# Allegro board Learn.brd (continued)
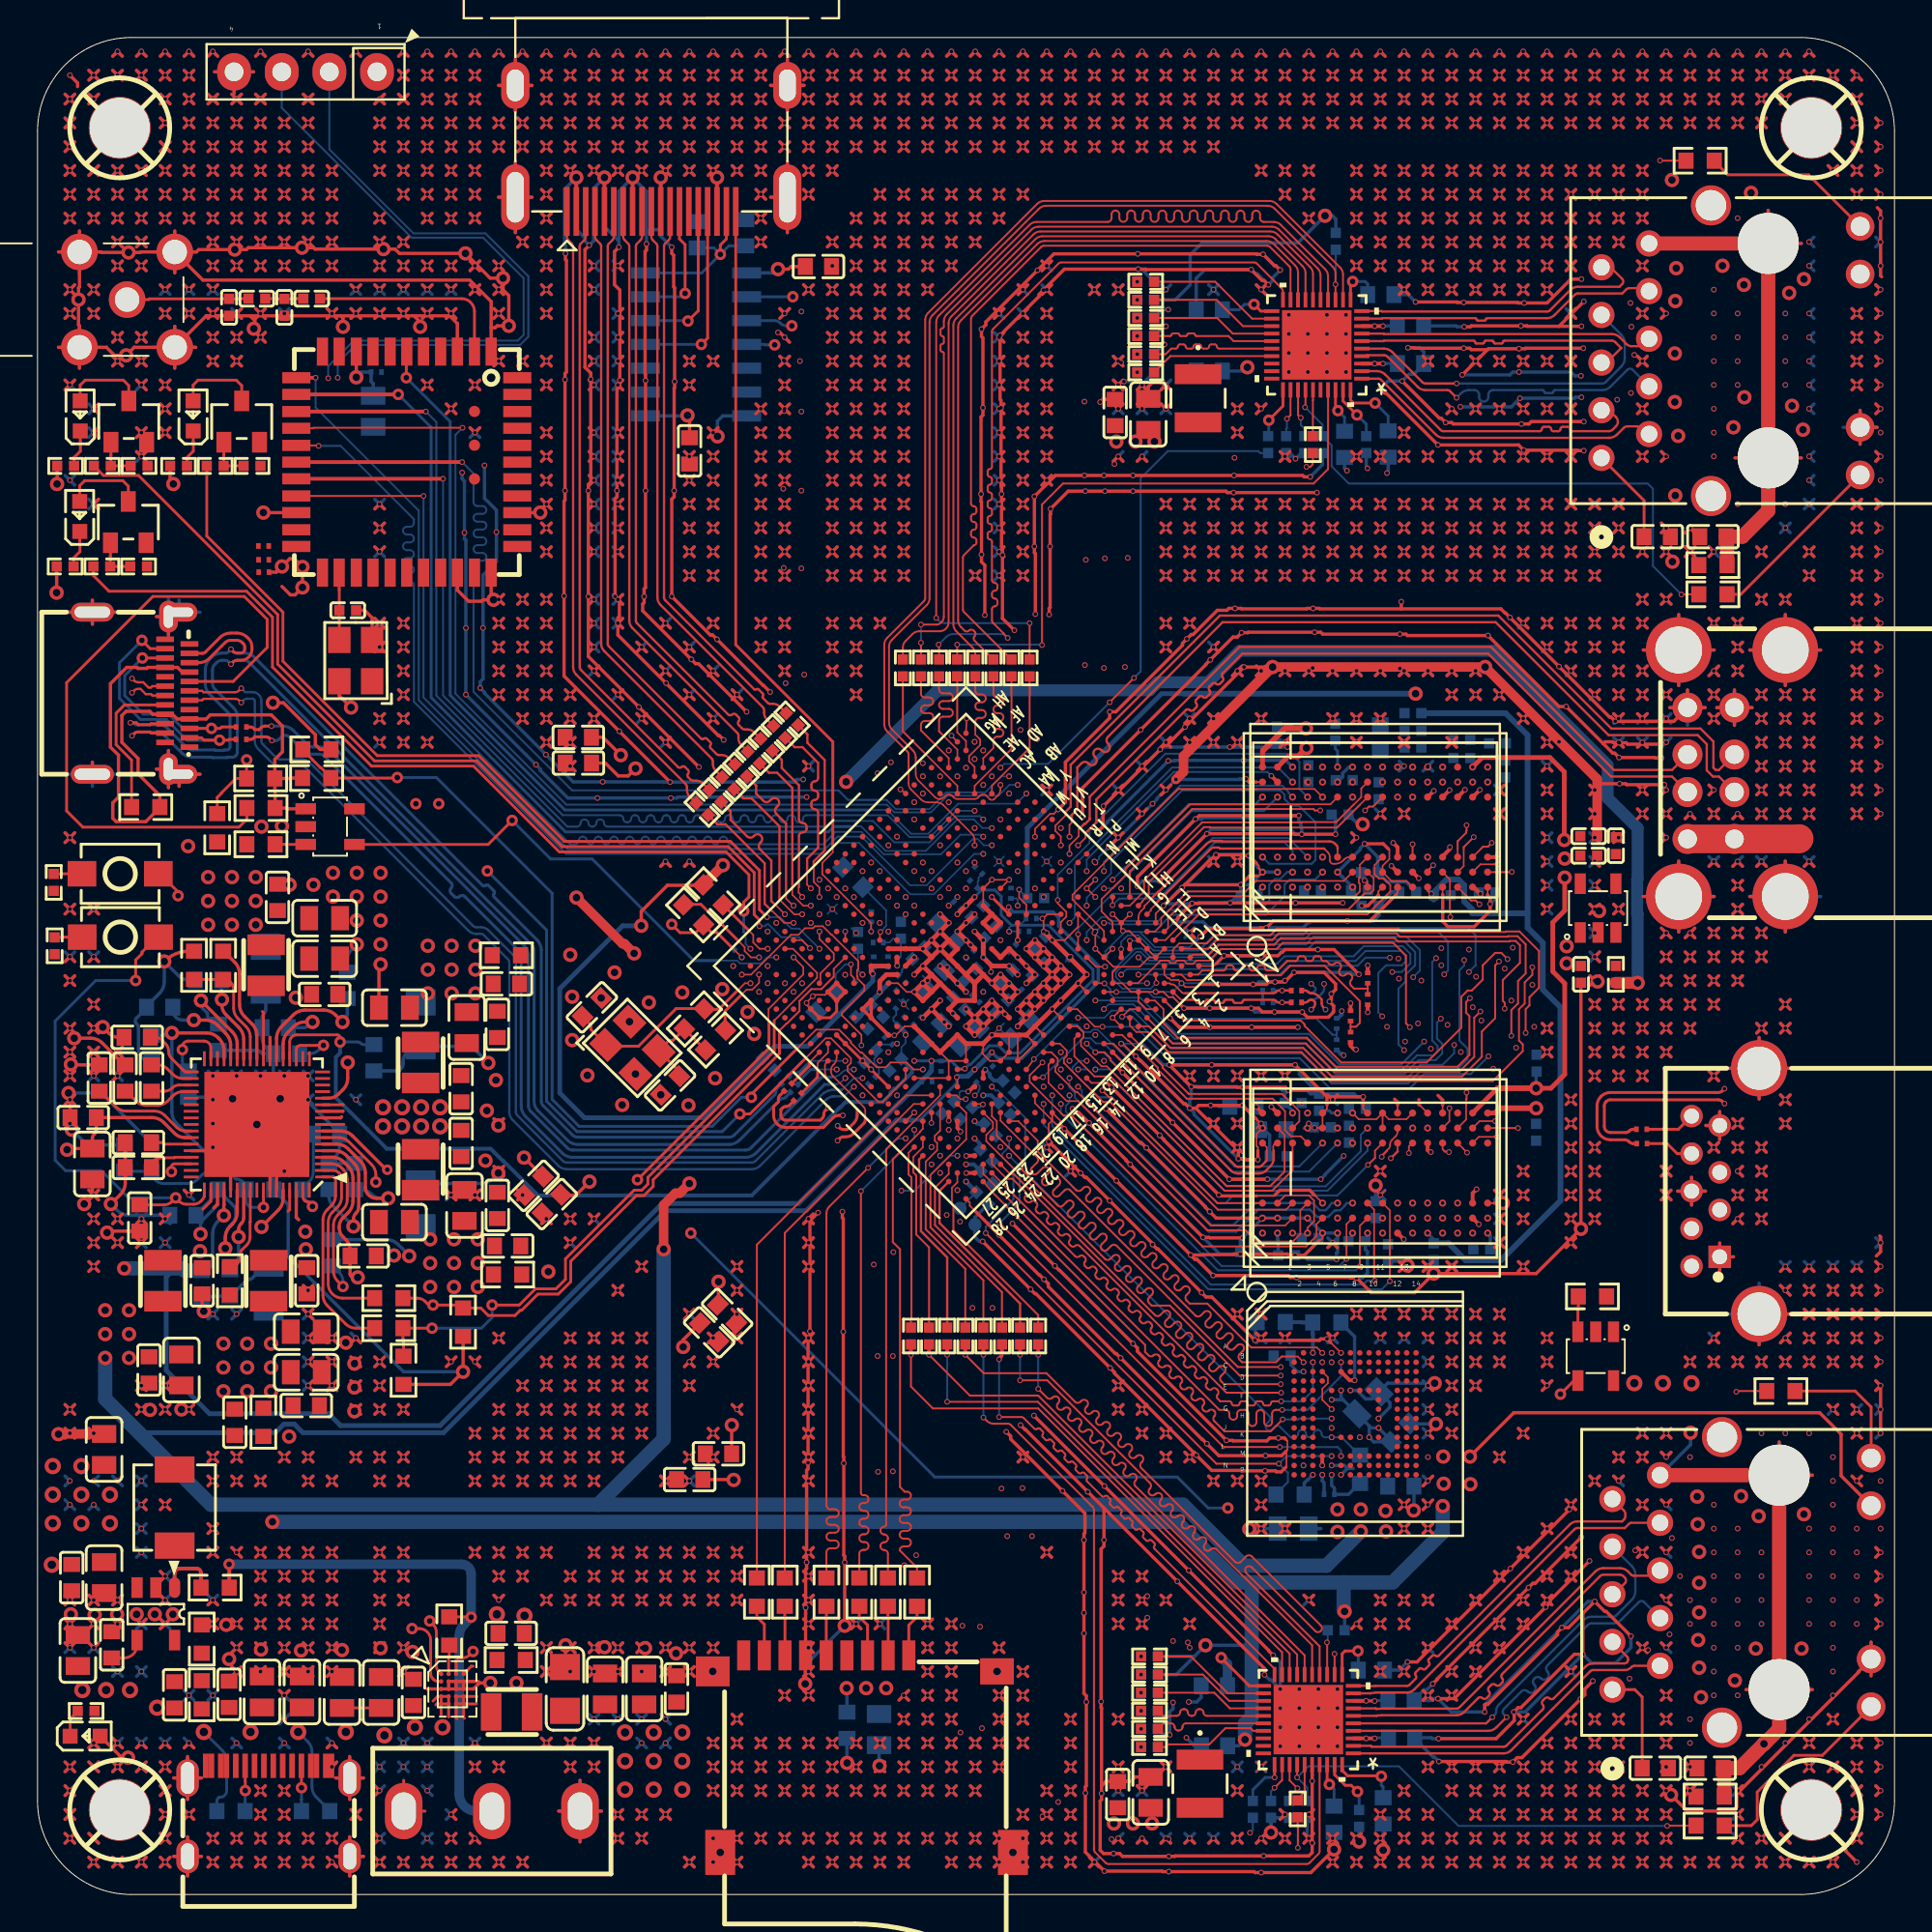
[diagram p0: board, top side]
## Routing (per net, layer and track width the routed paths; a pad name or vN(x,y) marks a point on that pad's centre or on a via; arc(x,y) is an arc through that point) (continued)
USB3_OTG0_DM: length 65
  TOP w0.124: v1(5.04,64.82) 5.15,64.71 arc(5.25,64.64) 5.37,64.61 5.64,64.61 5.92,64.33 6.05,64.33 6.12,64.41 U17.B7 ; U17.A7 8.78,63.66 8.85,63.73 10.55,63.73 arc(10.65,63.71) 10.74,63.65 v1(10.86,63.53)
  SIG w0.124: v1(10.86,63.53) 10.97,63.65 arc(11.08,63.71) 11.2,63.74 11.34,63.74 arc(11.7,63.89) 11.85,64.25 11.85,64.69 arc(11.71,65.03) 11.36,65.17 10.65,65.17 arc(10.41,65.13) 10.21,64.99 9.91,64.69 arc(9.83,64.64) 9.73,64.61 5.37,64.61 arc(5.25,64.64) 5.15,64.71 v1(5.04,64.82)
  BOTTOM w0.089: v1(43.52,43.06) 43.51,43.06 42.99,42.55 42.97,42.55
  BOTTOM w0.124: v1(10.86,63.53) 11,63.67 arc(11.07,63.72) 11.16,63.74 11.46,63.74 arc(11.55,63.7) 11.58,63.62 11.58,61.5 arc(11.63,61.26) 11.76,61.06 12.49,60.33 arc(12.69,60.2) 12.93,60.15 14.11,60.15 arc(14.19,60.13) 14.26,60.09 22.96,51.39 arc(23.16,51.25) 23.4,51.21 23.64,51.21 arc(23.72,51.19) 23.79,51.14 25.08,49.85 arc(25.13,49.78) 25.15,49.7 25.15,41.72 arc(25.19,41.48) 25.33,41.28 27.76,38.84 arc(27.97,38.71) 28.2,38.66 38.07,38.66 arc(38.31,38.71) 38.51,38.84 42.03,42.36 arc(42.07,42.39) 42.1,42.42 42.28,42.51 arc(42.33,42.53) 42.38,42.54 arc(42.42,42.54) 42.45,42.54 42.47,42.55 42.97,42.55
USB3_OTG0_DP: length 64.4
  TOP w0.124: v1(5.04,64.06) 5.16,64.18 arc(5.25,64.24) 5.35,64.26 5.49,64.26 5.77,63.98 6.05,63.98 6.12,63.91 U17.B6 ; U17.A6 8.78,64.16 8.85,64.08 10.51,64.08 arc(10.64,64.11) 10.75,64.18 v1(10.86,64.3)
  SIG w0.124: v1(5.04,64.06) 5.15,64.17 arc(5.25,64.24) 5.37,64.26 9.73,64.26 arc(9.96,64.31) 10.16,64.44 10.46,64.74 arc(10.55,64.8) 10.65,64.82 11.36,64.82 arc(11.46,64.78) 11.49,64.69 11.49,64.25 arc(11.45,64.14) 11.34,64.09 11.2,64.09 arc(11.08,64.12) 10.97,64.19 v1(10.86,64.3)
  BOTTOM w0.089: 42.88,42.9 42.88,42.88 43.52,43.52 v1(43.98,43.52)
  BOTTOM w0.124: v1(10.86,64.3) 11.07,64.09 11.46,64.09 arc(11.48,64.09) 11.5,64.09 arc(11.81,63.94) 11.93,63.62 11.94,61.5 arc(11.96,61.39) 12.01,61.31 12.74,60.58 arc(12.83,60.52) 12.93,60.5 14.11,60.5 arc(14.32,60.46) 14.51,60.34 23.21,51.64 arc(23.29,51.58) 23.4,51.56 23.64,51.56 arc(23.85,51.52) 24.03,51.39 25.33,50.1 arc(25.46,49.91) 25.5,49.7 25.5,41.72 arc(25.52,41.62) 25.58,41.53 28.01,39.09 arc(28.1,39.03) 28.2,39.01 38.08,39.01 arc(38.18,39.03) 38.26,39.09 41.44,42.27 41.78,42.61 arc(41.85,42.67) 41.92,42.73 42.14,42.84 arc(42.16,42.84) 42.17,42.85 arc(42.25,42.87) 42.33,42.89 arc(42.38,42.89) 42.44,42.9 arc(42.46,42.9) 42.47,42.9 42.88,42.9
USB3_OTG0_ID: length 51.2
  TOP w0.089: 40.46,45.06 41.5,46.1 42.72,46.1 43.36,45.47 43.36,45.39 43.87,44.88 43.94,44.88 44.73,44.09 45.21,44.09 45.47,44.35 46.33,44.35 46.7,43.98 v1(47.19,43.98)
  TOP w0.152: v2(19.18,59.54) 19.15,59.51 R133.1 15.63,59.54 15.11,60.06 15.08,60.06 14.66,60.48 14.66,60.49 14.14,61.01 R134.1 ; v2(38.05,42.49) 38.05,42.65 40.46,45.06
  BOTTOM w0.152: v2(38.05,42.49) 37.52,42.49 35.97,40.94 28.87,40.94 27.43,42.38 27.43,53.37 21.26,59.54 v2(19.18,59.54)
USB3_OTG0_SSRXN: length 48.4
  TOP w0.158: C227.1 11.37,62.23 arc(11.45,62.22) 11.51,62.17 11.59,62.09 11.81,62.09 11.92,62.2 arc(12.01,62.26) 12.12,62.28 v1(12.47,62.28)
  BOTTOM w0.089: v1(43.52,43.98) 43.27,43.98 arc(43.05,43.93) 42.87,43.81 42.83,43.77 arc(42.61,43.62) 42.35,43.57
  BOTTOM w0.158: v1(12.47,62.28) 13.07,62.28 arc(13.37,62.22) 13.63,62.05 14.39,61.29 arc(14.52,61.2) 14.68,61.17 15.02,61.17 arc(15.32,61.11) 15.58,60.94 25.94,50.58 arc(26.11,50.33) 26.17,50.02 26.17,42.03 arc(26.2,41.88) 26.29,41.75 28.24,39.8 arc(28.37,39.71) 28.52,39.68 37.75,39.68 arc(37.9,39.71) 38.03,39.8 41.8,43.57 42.35,43.57
USB3_OTG0_SSRXP: length 48.4
  TOP w0.158: C228.1 11.37,61.57 arc(11.44,61.59) 11.51,61.63 11.59,61.71 11.81,61.71 12.2,61.71 arc(12.29,61.69) 12.36,61.64 v1(12.49,61.51)
  BOTTOM w0.089: v1(43.06,43.52) 42.88,43.34 arc(42.7,43.22) 42.49,43.18
  BOTTOM w0.158: 42.49,43.18 41.96,43.18 38.31,39.53 arc(38.05,39.35) 37.75,39.29 28.52,39.29 arc(28.22,39.35) 27.96,39.53 26.01,41.47 arc(25.84,41.73) 25.78,42.03 25.78,50.02 arc(25.75,50.18) 25.66,50.31 22.77,53.2 arc(22.63,53.25) 22.5,53.2 arc(22.36,53.14) 22.22,53.2 22.05,53.37 arc(21.99,53.51) 22.05,53.64 arc(22.11,53.78) 22.05,53.92 15.31,60.66 arc(15.18,60.75) 15.02,60.78 14.68,60.78 arc(14.38,60.84) 14.12,61.01 13.44,61.7 arc(13.22,61.79) 13,61.7 12.89,61.59 arc(12.8,61.53) 12.69,61.51 v1(12.49,61.51)
USB3_OTG0_SSTXN: length 65.6
  TOP w0.158: U17.A3 8.6,65.66 arc(8.9,65.72) 9.16,65.89 10,66.73 arc(10.14,66.82) 10.29,66.85 10.63,66.85 arc(10.78,66.82) 10.91,66.73 10.98,66.67 arc(11.03,66.59) 11.04,66.51 11.04,66.38 arc(10.98,66.23) 10.84,66.17 10.64,66.17 arc(10.53,66.2) 10.43,66.26 v1(10.31,66.38) ; U17.B3 6.05,62.41 6,62.35 5.38,62.35 5.27,62.46 v1(4.95,62.46)
  BOTTOM w0.158: v1(4.95,62.46) 5.13,62.46 5.24,62.35 6.48,62.35 arc(6.72,62.3) 6.92,62.17 7.96,61.13 arc(8.09,61.04) 8.24,61.01 9.45,61.01 9.47,60.99 9.93,60.99 9.96,61.01 10.1,61.01 arc(10.22,61.06) 10.26,61.17 10.26,62.8 arc(10.24,62.89) 10.19,62.96 9.17,63.98 arc(9,64.24) 8.94,64.54 8.94,65.28 arc(9,65.58) 9.17,65.84 9.27,65.94 arc(9.53,66.11) 9.83,66.17 10.02,66.17 arc(10.1,66.19) 10.17,66.24 v1(10.31,66.38) 10.45,66.24 arc(10.52,66.19) 10.61,66.17 11.01,66.17 arc(11.31,66.11) 11.57,65.94 23.72,53.79 arc(23.8,53.75) 23.88,53.79 arc(23.96,53.82) 24.04,53.79 24.33,53.5 arc(24.36,53.42) 24.33,53.34 arc(24.3,53.26) 24.33,53.18 26.62,50.89 arc(26.79,50.63) 26.85,50.33 26.85,42.28 arc(26.88,42.16) 26.95,42.05 28.52,40.49 arc(28.65,40.4) 28.8,40.37 36.86,40.37 arc(37.02,40.4) 37.15,40.49 39.3,42.63 arc(39.34,42.7) 39.35,42.77 39.35,42.8 arc(39.36,42.87) 39.4,42.93 C224.2
USB3_OTG0_SSTXP: length 66.8
  TOP w0.158: U17.A2 8.79,66.16 arc(8.87,66.18) 8.95,66.22 9.73,67.01 arc(9.99,67.18) 10.29,67.24 10.63,67.24 arc(10.93,67.18) 11.18,67.01 11.25,66.94 arc(11.38,66.74) 11.43,66.51 11.43,66.38 arc(11.26,65.96) 10.84,65.79 10.64,65.79 arc(10.53,65.76) 10.43,65.7 v1(10.31,65.58) ; v1(5.04,61.76) 5.18,61.9 arc(5.25,61.95) 5.33,61.97 6,61.97 6.05,61.91 U17.B2
  BOTTOM w0.158: v1(5.04,61.76) 5.18,61.9 arc(5.25,61.95) 5.33,61.97 6.48,61.97 arc(6.57,61.95) 6.64,61.9 7.69,60.86 arc(7.94,60.68) 8.24,60.62 9.29,60.62 9.31,60.6 10.09,60.6 10.12,60.62 10.39,60.62 arc(10.48,60.64) 10.56,60.69 10.58,60.71 arc(10.63,60.79) 10.65,60.88 10.65,62.8 arc(10.6,63.03) 10.47,63.24 9.45,64.26 arc(9.36,64.39) 9.33,64.54 9.33,65.28 arc(9.36,65.44) 9.45,65.57 9.55,65.67 arc(9.68,65.76) 9.83,65.79 9.98,65.79 arc(10.1,65.76) 10.2,65.7 v1(10.31,65.58) 10.43,65.7 arc(10.53,65.76) 10.64,65.79 11.01,65.79 arc(11.16,65.76) 11.29,65.67 26.35,50.61 arc(26.44,50.48) 26.47,50.33 26.47,42.28 arc(26.52,42.01) 26.68,41.78 28.24,40.21 arc(28.5,40.04) 28.8,39.98 36.86,39.98 arc(37.16,40.04) 37.42,40.21 39.58,42.37 arc(39.64,42.41) 39.71,42.43 39.75,42.43 arc(39.82,42.45) 39.88,42.49 C223.2
USB3_OTG0_VBUSDET: length 58.7
  TOP w0.089: U5.M24 46.27,43.48 45.03,42.24 44.83,42.24 43.18,43.89 43.18,44.15 43.36,44.32 43.36,44.58 42.29,45.64 42.01,45.64 40.94,44.57
  TOP w0.152: 40.94,44.57 37.97,41.61 v2(37.44,41.61) ; R136.1 9.58,58.47 9.8,58.7 9.8,58.72 10.57,59.49 R135.1 11.14,60.47 v2(11.15,60.48)
  SIG w0.152: v2(23.98,54.56) 23.98,56.31 21.31,58.98 12.65,58.98 v2(11.15,60.48)
  BOTTOM w0.152: v2(37.44,41.61) 36.5,40.67 28.75,40.67 27.14,42.28 27.14,51.4 v2(23.98,54.56)
USB_HOST_PWREN: length 79.4
  TOP w0.089: v1(40.3,49.95) 40.82,49.43 40.82,49.05 38.96,47.19 38.96,46.55 38.99,46.52
  TOP w0.152: v2(81.18,26.67) 81.9,27.39 U20.4 ; v2(31.98,38.1) 38.99,45.11 38.99,46.52
  SIG w0.152: v2(63.45,20.6) 63.45,19.52 64.49,18.47 74.79,18.47 81.18,24.87 v2(81.18,26.67) ; v2(31.98,38.1) v2(34.82,35.26)
  BOTTOM w0.152: v2(34.82,35.26) 47.83,22.25 60.76,22.25 62.41,20.6 v2(63.45,20.6)
USB_OTG_PWREN: length 26.3
  TOP w0.152: v2(25.3,57.25) 24.02,55.97 U18.4
  BOTTOM w0.089: v1(39.38,49.95) 38.88,49.95 38.56,49.63 37.44,49.63 37.29,49.78 36.31,49.78
  BOTTOM w0.152: 36.31,49.78 34.98,49.78 29.57,55.19 27.36,55.19 v2(25.3,57.25)
VREF_DDR4_CA: length 48.7
  TOP w0.089: U6.M1 74.1,53.49 74.25,53.34 v1(74.3,53.34)
  BOTTOM w0.152: v1(74.3,53.34) 74.35,53.34 C99.1 74.42,53.03 ; C100.1 74.42,34.93 v1(74.1,35.25)
  BOTTOM w0.305: R41.1 78.26,62.97 79.43,61.8 79.43,52.3 ; C100.1 75.22,34.71 76.12,33.81 78,33.81 81.18,36.98 81.18,47.29 80.24,48.23 80.24,50.72 79.43,51.54 79.43,52.3 ; C99.1 74.42,53.42 75.11,54.1 75.74,54.1 76.05,53.8 76.05,52.93 76.48,52.5 76.48,52.3 79.43,52.3 ; 74.42,53.03 74.35,53.11 74.35,53.26
WIFI_REG_ON: length 56.8
  TOP w0.203: U15.12 v1(14.82,80.85)
  BOTTOM w0.089: 42.92,56.39 43.92,56.39 46.51,53.8 47.4,53.8 49.86,56.26 50.11,56.26 50.45,55.93 v1(50.87,55.93)
  BOTTOM w0.104: 42.92,56.39 42.65,56.39 41.99,55.73 28.25,55.73 20.32,63.66 20.32,73.76 14.82,79.26 v1(14.82,80.85)
WIFI_SDIO_CLK: length 57.2
  TOP w0.203: U15.17 v1(22.63,76.35)
  BOTTOM w0.089: 44.87,58.34 45.26,58.34 45.75,57.86 47.55,57.86 48.44,58.75 50.52,58.75 51.37,59.6 v1(51.79,59.6)
  BOTTOM w0.104: 44.87,58.34 43.21,58.34 42.7,58.85 28.5,58.85 23.24,64.11 23.24,70.88 arc(23.3,71.03) 23.45,71.09 23.72,71.09 arc(23.93,71.3) 23.72,71.51 23.45,71.51 arc(23.24,71.72) 23.45,71.93 23.72,71.93 arc(23.93,72.13) 23.72,72.34 23.45,72.34 arc(23.24,72.55) 23.45,72.76 23.72,72.76 arc(23.93,72.97) 23.72,73.18 23.45,73.18 arc(23.24,73.38) 23.45,73.59 23.72,73.59 arc(23.93,73.8) 23.72,74.01 23.45,74.01 arc(23.3,74.07) 23.24,74.22 23.24,75.74 v1(22.63,76.35)
WIFI_SDIO_CMD: length 56.8
  TOP w0.104: v1(14.99,77.22) 14.96,77.24 U15.16
  BOTTOM w0.089: 42,55.47 42.59,56.06 43.79,56.06 46.53,53.31 47.78,53.31 49.93,55.47 v1(50.41,55.47)
  BOTTOM w0.104: v1(14.99,77.22) 16.15,77.22 20.06,73.31 20.06,73.11 arc(20,72.97) 19.86,72.91 19.69,72.91 arc(19.48,72.7) 19.69,72.49 19.86,72.49 arc(20.06,72.28) 19.86,72.07 19.69,72.07 arc(19.48,71.86) 19.69,71.66 19.86,71.66 arc(20.06,71.45) 19.86,71.24 19.69,71.24 arc(19.48,71.03) 19.69,70.82 19.86,70.82 arc(20.06,70.61) 19.86,70.41 19.69,70.41 arc(19.48,70.2) 19.69,69.99 19.86,69.99 arc(20,69.93) 20.06,69.8 20.06,69.8 20.06,63.58 28.17,55.47 42,55.47
WIFI_SDIO_D0: length 56.6
  TOP w0.203: U15.18 v1(21.62,75.46)
  BOTTOM w0.089: 44.06,57.53 45.31,57.53 46.48,56.36 47.57,56.36 48.98,57.76 v1(49.95,57.76)
  BOTTOM w0.104: v1(21.62,75.46) 21.62,63.91 28,57.53 31.04,57.53 arc(31.17,57.48) 31.23,57.34 arc(31.28,57.21) 31.41,57.15 31.45,57.15 arc(31.59,57.21) 31.64,57.34 arc(31.7,57.48) 31.83,57.53 31.87,57.53 arc(32,57.48) 32.06,57.34 arc(32.11,57.21) 32.25,57.15 32.29,57.15 arc(32.42,57.21) 32.48,57.34 arc(32.53,57.48) 32.66,57.53 32.7,57.53 arc(32.84,57.48) 32.89,57.34 arc(32.95,57.21) 33.08,57.15 33.12,57.15 arc(33.25,57.21) 33.31,57.34 arc(33.36,57.48) 33.5,57.53 33.54,57.53 arc(33.67,57.48) 33.72,57.34 arc(33.78,57.21) 33.91,57.15 33.95,57.15 arc(34.09,57.21) 34.14,57.34 arc(34.2,57.48) 34.33,57.53 34.37,57.53 arc(34.5,57.48) 34.56,57.34 arc(34.61,57.21) 34.75,57.15 34.79,57.15 arc(34.92,57.21) 34.97,57.34 arc(35.03,57.48) 35.16,57.53 35.2,57.53 arc(35.34,57.48) 35.39,57.34 arc(35.45,57.21) 35.58,57.15 35.62,57.15 arc(35.75,57.21) 35.81,57.34 arc(35.86,57.48) 36,57.53 36.03,57.53 arc(36.17,57.48) 36.22,57.34 arc(36.28,57.21) 36.41,57.15 36.45,57.15 arc(36.59,57.21) 36.64,57.34 arc(36.7,57.48) 36.83,57.53 36.87,57.53 arc(37,57.48) 37.06,57.34 arc(37.11,57.21) 37.25,57.15 37.28,57.15 arc(37.42,57.21) 37.47,57.34 arc(37.53,57.48) 37.66,57.53 37.7,57.53 arc(37.84,57.48) 37.89,57.34 arc(37.95,57.21) 38.08,57.15 38.12,57.15 arc(38.25,57.21) 38.31,57.34 arc(38.36,57.48) 38.5,57.53 38.53,57.53 arc(38.67,57.48) 38.72,57.34 arc(38.78,57.21) 38.91,57.15 38.95,57.15 arc(39.08,57.21) 39.14,57.34 arc(39.2,57.48) 39.33,57.53 39.37,57.53 arc(39.5,57.48) 39.56,57.34 arc(39.61,57.21) 39.75,57.15 39.78,57.15 arc(39.92,57.21) 39.97,57.34 arc(40.03,57.48) 40.16,57.53 40.2,57.53 arc(40.33,57.48) 40.39,57.34 arc(40.45,57.21) 40.58,57.15 40.62,57.15 arc(40.75,57.21) 40.81,57.34 arc(40.86,57.48) 41,57.53 44.06,57.53
WIFI_SDIO_D1: length 56.5
  TOP w0.104: U15.19 v1(20.57,74.55)
  BOTTOM w0.089: 43.17,56.64 43.92,56.64 45.11,55.45 48.16,55.45 49.2,56.49 50.31,56.49 v1(50.41,56.39)
  BOTTOM w0.104: v1(20.57,74.55) 20.57,63.8 28.4,55.98 28.65,55.98 arc(28.8,56.04) 28.86,56.18 arc(28.91,56.33) 29.06,56.39 29.07,56.39 arc(29.21,56.33) 29.27,56.18 arc(29.33,56.04) 29.47,55.98 29.49,55.98 arc(29.63,56.04) 29.69,56.18 arc(29.75,56.33) 29.89,56.39 29.9,56.39 arc(30.05,56.33) 30.11,56.18 arc(30.16,56.04) 30.31,55.98 30.32,55.98 arc(30.46,56.04) 30.52,56.18 arc(30.58,56.33) 30.72,56.39 30.74,56.39 arc(30.88,56.33) 30.94,56.18 arc(31,56.04) 31.14,55.98 31.15,55.98 arc(31.3,56.04) 31.35,56.18 arc(31.41,56.33) 31.56,56.39 31.57,56.39 arc(31.71,56.33) 31.77,56.18 arc(31.83,56.04) 31.97,55.98 31.99,55.98 arc(32.13,56.04) 32.19,56.18 arc(32.25,56.33) 32.39,56.39 32.4,56.39 arc(32.55,56.33) 32.6,56.18 arc(32.66,56.04) 32.81,55.98 32.82,55.98 arc(32.96,56.04) 33.02,56.18 arc(33.08,56.33) 33.22,56.39 33.24,56.39 arc(33.38,56.33) 33.44,56.18 arc(33.5,56.04) 33.64,55.98 33.65,55.98 arc(33.79,56.04) 33.85,56.18 arc(33.91,56.33) 34.06,56.39 34.07,56.39 arc(34.21,56.33) 34.27,56.18 arc(34.33,56.04) 34.47,55.98 34.48,55.98 arc(34.63,56.04) 34.69,56.18 arc(34.75,56.33) 34.89,56.39 34.9,56.39 arc(35.04,56.33) 35.1,56.18 arc(35.16,56.04) 35.31,55.98 35.32,55.98 arc(35.46,56.04) 35.52,56.18 arc(35.58,56.33) 35.72,56.39 35.73,56.39 arc(35.88,56.33) 35.94,56.18 arc(36,56.04) 36.14,55.98 36.15,55.98 arc(36.29,56.04) 36.35,56.18 arc(36.41,56.33) 36.56,56.39 36.57,56.39 arc(36.71,56.33) 36.77,56.18 arc(36.83,56.04) 36.97,55.98 41.88,55.98 42.55,56.64 43.17,56.64
WIFI_SDIO_D2: length 56.4
  TOP w0.203: U15.14 v1(20.7,79.04)
  BOTTOM w0.089: 43.76,57.23 44.53,57.23 45.67,56.08 47.55,56.08 48.95,57.48 50.24,57.48 v1(50.41,57.31)
  BOTTOM w0.104: v1(20.7,79.04) 21.26,78.49 21.26,63.91 28.24,56.92 28.76,56.92 arc(28.89,56.98) 28.95,57.11 arc(29,57.24) 29.14,57.3 29.17,57.3 arc(29.31,57.24) 29.36,57.11 arc(29.42,56.98) 29.55,56.92 29.59,56.92 arc(29.73,56.98) 29.78,57.11 arc(29.84,57.24) 29.97,57.3 30.01,57.3 arc(30.14,57.24) 30.2,57.11 arc(30.25,56.98) 30.39,56.92 42.06,56.92 42.37,57.23 43.76,57.23
WIFI_SDIO_D3: length 56.4
  TOP w0.104: U15.15 14.69,78.16 14.71,78.18 v1(22.66,78.18)
  BOTTOM w0.089: 44.62,58.09 45.27,58.09 45.67,57.68 47.62,57.68 48.51,58.57 51.23,58.57 51.8,59.14 v1(52.25,59.14)
  BOTTOM w0.104: 44.62,58.09 28.19,58.09 22.28,64.01 22.28,77.8 v1(22.66,78.18)
WIFI_WAKE_HOST: length 56.7
  TOP w0.203: U15.13 v2(19.23,79.96)
  BOTTOM w0.089: v1(50.87,56.85) 50.37,56.85 49.91,57.3 49.02,57.3 47.35,55.63 45.21,55.63 43.89,56.95 43.48,56.95 43.45,56.92
  BOTTOM w0.152: v2(19.23,79.96) 20.98,78.21 20.98,63.8 28.14,56.64 42.16,56.64 42.44,56.92 43.45,56.92
WORKING_CPU: length 47.8
  TOP w0.152: R139.1 2.98,70.3 3.81,69.47 11.14,69.47 12.52,68.09 12.52,65.43 17.81,60.15 23.24,60.15 27.81,55.58 36.7,55.58 37.92,54.36 37.92,53.18 37.64,52.9 v2(37.64,52.43)
  BOTTOM w0.089: 37.74,51.21 37.74,50.67 v1(38,50.41)
  BOTTOM w0.152: 37.74,51.21 37.64,51.32 v2(37.64,52.43)
WORKING_GPU: length 48.3
  TOP w0.089: v1(38.89,52.1) 38.76,52.23
  TOP w0.152: R140.1 9.02,72.41 13.08,68.35 13.08,65.74 18.11,60.71 23.51,60.71 28.08,56.13 36.93,56.13 38.48,54.59 38.48,52.5 38.76,52.23
  BOTTOM w0.089: v1(38.89,52.1) 39.57,52.1 40.18,51.49 40.6,51.49 v1(41.68,50.41)
WORKING_NPU: length 53
  TOP w0.089: v1(38.48,51.61) 38.48,51.95 ; U5.AF23 40.75,50.87 v1(41.17,50.44)
  TOP w0.152: 38.48,51.95 38.2,52.23 38.2,54.47 36.82,55.85 27.97,55.85 23.39,60.43 17.96,60.43 12.8,65.58 12.8,68.22 5.38,75.64 3.51,75.64 R144.1
  BOTTOM w0.089: v1(41.17,50.44) 40.59,51.03 39.65,51.03 38.96,51.72 38.87,51.72 38.76,51.61 v1(38.48,51.61)
N00798: length 2.4
  TOP w0.152: v2(14.07,5.69) 14.07,5.69 U1.B5
  BOTTOM w0.152: v2(14.07,5.69) 14.07,5.06 14.07,5.05 R1.1
N00802: length 2.4
  TOP w0.152: U1.A5 11.07,6.03 11.07,6.03 v2(11.07,5.54)
  BOTTOM w0.152: R2.1 11.07,5.53 v2(11.07,5.54)
N03782: length 4.6
  TOP w0.152: U3.D4 U3.D3 U3.E3 ; U3.D4 U3.E4 ; U3.D4 23.4,10.56 23.42,10.54 ; U3.E4 22.71,9.44 22.76,9.4 ; U3.E4 U3.E3 ; U3.E4 23.4,10.16 ; U3.E3 22.31,9.41 22.35,9.37
N04140: length 1.5
  TOP w0.152: U3.A2 21.91,12.68 21.95,12.71 R8.1
N13913: length 6.4
  TOP w0.152: R18.1 R16.2 9.92,48.78 arc(10.3,48.62) 10.45,48.25 10.45,47.24 arc(10.51,46.95) 10.68,46.7 11.12,46.26 arc(11.28,46.01) 11.34,45.72 U4.27
N022560: length 3.2
  TOP w0.203: U2.1 7.31,17.11 arc(7.38,17.3) 7.57,17.37 8.48,17.37 arc(8.65,17.31) 8.71,17.14 R4.1
N23858: length 10.2
  TOP w0.152: v2(12.04,36.63) U4.61
  BOTTOM w0.152: v2(12.04,36.63) 11.46,36.63 arc(11.22,36.73) 11.12,36.97 R22.2 11.12,37.61 arc(10.97,37.98) 10.59,38.14 10.56,38.14 10.34,38.36 arc(10.12,38.51) 9.86,38.56 9.28,38.56 arc(8.99,38.5) 8.74,38.33 8.53,38.12 arc(8.28,37.95) 7.99,37.9 6.73,37.9 arc(6.27,38.09) 6.08,38.54 R24.1 5.47,38.55 5.47,38.55 C68.1
N24218: length 10
  TOP w0.152: R20.2 16.26,31.79 arc(15.72,32.01) 15.49,32.55 15.49,35.83 arc(15.55,36.12) 15.72,36.37 15.98,36.63 arc(16.15,36.88) 16.21,37.17 16.21,38.16 arc(16.17,38.32) 16.08,38.45 16.06,38.47 arc(15.93,38.56) 15.77,38.6 U4.2
N24280: length 10.8
  TOP w0.152: R21.2 16.97,30.19 arc(16.67,30.24) 16.43,30.41 15.44,31.4 arc(15.27,31.65) 15.21,31.94 15.21,35.96 arc(15.27,36.25) 15.44,36.49 15.66,36.72 arc(15.83,36.97) 15.89,37.26 15.89,38.14 15.78,38.25 U4.1
N25186: length 2.1
  TOP w0.152: C59.1 6.65,40.08 6.74,40 U4.46
N26850: length 3.1
  TOP w0.152: C65.1 6.26,45.69 arc(6.46,45.65) 6.63,45.54 6.83,45.34 arc(6.95,45.17) 6.99,44.97 6.99,44.94 arc(7.02,44.74) 7.14,44.58 7.76,43.95 arc(7.88,43.87) 8.01,43.85 U4.35
N26854: length 4
  TOP w0.152: U4.38 7.76,42.8 arc(7.46,42.74) 7.22,42.57 6.93,42.29 arc(6.68,42.12) 6.39,42.06 5.79,42.06 arc(5.5,42.12) 5.25,42.29 4.72,42.82 C64.1
N26858: length 2.2
  TOP w0.152: U4.37 7.55,43.15 arc(7.35,43.11) 7.18,42.99 7.16,42.97 arc(6.99,42.86) 6.79,42.82 C63.2
N26862: length 2.3
  TOP w0.152: C63.1 6.41,44.22 arc(6.69,44.17) 6.92,44.01 7.21,43.72 arc(7.46,43.56) 7.75,43.5 U4.36
N27345: length 2.4
  TOP w0.152: U4.48 7.31,39.3 7.28,39.27 6.55,39.27 arc(6.21,39.13) 6.08,38.8 C66.1
N27432: length 5.7
  TOP w0.152: C67.1 3.34,42.82 4.18,41.98 arc(4.43,41.82) 4.72,41.76 6.24,41.76 arc(6.53,41.7) 6.78,41.53 7.42,40.89 arc(7.63,40.75) 7.89,40.7 U4.44
N60766: length 1.2
  TOP w0.089: v1(56.9,49.45) 56.42,49.45 U5.H7
N097171: length 1.1
  TOP w0.152: 16.29,42.1 U4.12
N097174: length 1.1
  TOP w0.152: U4.9 16.33,41.05
N097177: length 2.5
  TOP w0.152: 11.99,47.07 12.04,47.01 U4.25
N0971711: length 1.2
  TOP w0.152: 13.36,36.42 13.44,36.5 U4.65
N0985013: length 1.2
  TOP w0.152: U4.53 9.24,36.95 8.81,36.53
N14897562: length 0.6
  BOTTOM w0.152: R28.2 R27.2
N14898394: length 1
  BOTTOM w0.152: v1(69.3,41.65) 68.98,41.65 68.86,41.78 R39.1
N14898490: length 1.5
  BOTTOM w0.152: v1(69.3,60.1) 69.3,60.95 69.18,61.07 R40.1
N14927709: length 11.2
  TOP w0.089: v1(38,48.57) 37.7,48.57 37.34,48.21
  TOP w0.152: C140.2 29.5,46.35 29.5,46.11 Y1.1 30.39,45.22 32.03,45.22 34.04,47.22 35.53,47.22 R43.2 35.57,47.18 36.32,47.18 37.34,48.21
N14927721: length 5.3
  TOP w0.152: C139.1 34.21,43.87 33.11,44.97 33.66,45.52 33.86,45.52 R43.1 R44.2
N14931079: length 3.1
  TOP w0.089: v1(43.36,49.58) 43.36,49.02 43.52,48.86 U5.Y22
  BOTTOM w0.089: v1(43.36,49.58) 43.06,49.58 42.55,49.07 42.55,48.12 R46.2
N14931413: length 3.6
  TOP w0.089: v1(38.92,50.41) 38.49,50.41 38.15,50.75 38.15,51.15 37.93,51.37
  TOP w0.152: 37.93,51.37 R47.2
N14951066: length 1.3
  BOTTOM w0.152: v1(67.48,27.87) 67.17,27.87 66.8,28.24 C170.2
N14952714: length 2.8
  TOP w0.152: U10.8 38.74,14.4 38.34,14.8 R54.2
N14952718: length 2.6
  TOP w0.152: R55.2 39.83,14.8 39.84,14.79 U10.7
N14952722: length 2.6
  TOP w0.152: R56.2 42.05,14.8 42.04,14.79 U10.5
N14952726: length 2.8
  TOP w0.152: U10.3 44.24,14.36 43.81,14.8 R57.2
N14952730: length 2.6
  TOP w0.152: R58.2 45.33,14.8 45.34,14.78 U10.2
N14952734: length 2.8
  TOP w0.152: U10.1 46.44,14.36 46.88,14.8 R59.2
N14971442: length 5.5
  TOP w0.152: C185.1 85.54,10.53 85.14,10.92 U12.P1
N14971633: length 11.3
  TOP w0.152: U12.11 95.14,7.42 93.62,7.42 91.67,5.46 91.67,3.99 91.35,3.67 R88.2
N14971723: length 7.1
  TOP w0.152: U12.14 97.74,25.99 96.89,26.84 R89.2
N14977961: length 9.7
  TOP w0.152: U14.11 90.79,69.3 R117.2
N14978061: length 5.1
  TOP w0.152: U14.P1 85.64,74.3 C198.1
N14978065: length 9.2
  TOP w0.152: R119.2 89.38,92.39 90.1,91.67 94.4,91.67 U14.14
N14995405: length 10.8
  TOP w0.152: U15.2 23.29,84.38 arc(23.09,84.86) 22.61,85.06 C201.1
N14995472: length 2
  TOP w0.152: C201.2 13.61,85.06 13.6,85.05 C204.2 12.72,85.05 12.7,85.06 C202.1
N14995561: length 6.5
  TOP w0.152: U22.5 5.92,85.01 5.96,85.05 C205.2 10.65,85.05 10.66,85.06 C202.2
N15009638: length 3.5
  TOP w0.089: v1(44.93,51.31) 44.91,51.31 44.91,51.21 U5.AA18
  BOTTOM w0.089: R128.2 45.24,52.46 45.24,51.64 45.13,51.53 45.13,51.51 v1(44.93,51.31)
N15020833: length 0.6
  BOTTOM w0.203: v1(49.95,41.22) 50.08,41.09 C158.1
N15020845: length 0.7
  BOTTOM w0.203: v1(49.95,40.3) 50.26,39.99 C157.1
N15020857: length 0.9
  BOTTOM w0.203: C156.1 49.91,38.92 v1(49.49,38.92)
N15020881: length 1.6
  TOP w0.203: v1(49.61,42.8) 49.63,42.8 49.89,43.06 U5.G21
  BOTTOM w0.089: v1(49.61,42.8) 49.58,42.82 49.22,42.82 49.14,42.75 49.14,42.56 C159.1
N15020885: length 1.1
  TOP w0.089: v1(50.39,42.11) 50.37,42.14 U5.F22
  BOTTOM w0.089: C160.1 50.24,41.96 v1(50.39,42.11)
N15020889: length 1.7
  TOP w0.203: U5.G20 50.41,43.86 v1(50.52,43.97)
  BOTTOM w0.203: v1(50.52,43.97) 50.76,43.73 50.76,43.6 50.98,43.38 C161.1
N15021099: length 1
  BOTTOM w0.203: C162.1 50.84,42.6 v1(50.41,42.6)
N15051826: length 13.8
  TOP w0.152: U17.A11 8.74,61.66 8.87,61.53 v2(9.7,61.53) 10.17,61.53 10.22,61.57 C228.2 ; v2(5.56,66.85) 6.01,66.41 U17.B11
  BOTTOM w0.152: v2(9.7,61.53) 7.96,61.53 6.86,62.64 5.49,62.64 4.37,63.75 4.37,65.66 v2(5.56,66.85)
N15051837: length 11.5
  TOP w0.152: U17.A10 v2(9.27,62.16) 9.74,62.16 9.82,62.23 C227.2 ; v2(5.59,65.91) 5.59,65.91 U17.B10
  BOTTOM w0.152: v2(9.27,62.16) 7.74,62.16 6.99,62.92 5.64,62.92 4.65,63.91 4.65,64.97 v2(5.59,65.91)
N15051917: length 37.1
  TOP w0.152: R129.1 11.16,57.32 10.74,56.9 2.41,56.9 1.55,57.76 1.55,64.59 6.15,69.19 11.02,69.19 12.24,67.97 12.24,66.47 10.43,64.66 U17.A5
N15051943: length 8.1
  TOP w0.152: U17.B5 4.63,63.41 4.19,62.97 4.19,61.29 5.01,60.47 R130.1
N15053433: length 2.6
  TOP w0.152: C229.2 86.87,40.03 87.4,39.49 U21.6
N15053437: length 2.7
  TOP w0.152: U21.5 87.46,40.79 C230.2
N15053593: length 2.5
  BOTTOM w0.089: 41.54,43.98 v1(42.6,43.98)
  BOTTOM w0.152: 41.54,43.98 41.21,43.98 40.73,43.5 40.73,43.37 C223.1
N15053597: length 3.4
  BOTTOM w0.089: 41.14,44.37 41.21,44.44 v1(43.06,44.44)
  BOTTOM w0.152: 41.14,44.37 40.58,43.81 40.25,43.81 C224.1
N15053731: length 2.3
  TOP w0.089: 41.15,44.37 U5.V28
  TOP w0.152: C225.1 41.15,44.17 41.15,44.37
N15053739: length 3.2
  TOP w0.089: U5.V27 42.14,44.88 41.58,44.32 41.58,43.93
  TOP w0.152: C226.1 41.58,43.57 41.58,43.93
N15070968: length 2
  TOP w0.152: LED3.1 8.3,77.45 8.31,77.44 8.31,76.94 7.97,76.6 R138.2
N15070994: length 4.5
  TOP w0.152: Q2.3 10.88,80.43 10.59,80.72 8.56,80.72 8.29,80.46 LED3.2
N15071056: length 2.3
  TOP w0.152: R142.1 R140.2 9.92,76.69 9.93,76.7 Q2.1
N15071279: length 2
  TOP w0.152: LED2.1 2.25,72.09 2.26,72.08 2.26,71.58 1.92,71.24 R137.2
N15071305: length 4.5
  TOP w0.152: LED2.2 2.25,75.1 2.51,75.36 4.55,75.36 4.84,75.07 Q1.3
N15071367: length 2.3
  TOP w0.152: R141.1 R139.2 3.88,71.33 3.89,71.34 Q1.1
N15071998: length 2
  TOP w0.152: R143.2 1.95,76.6 2.29,76.94 2.29,77.44 2.28,77.45 LED4.1
N15072024: length 4.5
  TOP w0.152: Q3.3 4.86,80.43 4.57,80.72 2.54,80.72 2.27,80.46 LED4.2
N15072086: length 2.3
  TOP w0.152: Q3.1 3.91,76.7 3.9,76.69 R144.2 R145.1
N15110259: length 1.5
  TOP w0.152: R3.2 1.93,9.57 arc(1.79,9.36) 1.74,9.11 LED1.1
N15124722: length 4.6
  TOP w0.152: U4.59 11.34,35.85 11.33,35.84 11.33,35.04 arc(11.28,34.82) 11.16,34.63 10.9,34.37 arc(10.83,34.27) 10.81,34.15 10.81,34 arc(10.65,33.62) 10.28,33.47 R19.1
N15247966: length 3
  TOP w0.089: U13.39 69.59,79.97
  TOP w0.152: v2(70.33,78.87) 69.59,79.61 69.59,79.97
  BOTTOM w0.152: R115.1 70.83,78.37 v2(70.33,78.87)
N15247968: length 2.8
  TOP w0.089: U13.31 66.39,79.97
  TOP w0.152: 66.39,79.97 66.39,79.34 v2(65.63,78.59)
  BOTTOM w0.152: v2(65.63,78.59) 65.63,77.77 R116.1
N15248584: length 3.1
  TOP w0.089: 69.14,6.69 U11.39
  TOP w0.152: v2(70.36,5.49) 70.03,5.82 69.7,5.82 69.14,6.38 69.14,6.69
  BOTTOM w0.152: R85.1 70.45,5.4 v2(70.36,5.49)
N15248588: length 2.7
  TOP w0.089: U11.31 65.94,6.69
  TOP w0.152: 65.94,6.69 v1(65.94,6.24)
  BOTTOM w0.152: v1(65.94,6.24) 65.45,6.24 64.78,5.58 R86.1
N15320931: length 3.6
  TOP w0.152: Y2.3 16.09,68.01 16.09,68.01 C232.1 16.09,69.54 16.08,69.55 U15.24
N149276080: length 3.9
  TOP w0.089: 37.54,47.98 37.8,48.23 38.1,48.23 38.46,48.6 v1(38.46,49.03)
  TOP w0.152: R44.1 36.65,46.1 36.65,47.09 37.54,47.98
N150501720: length 1.6
  TOP w0.152: R131.1 13.23,55.98 13.24,55.97 U18.3
